# Altium PCB ecoVENTV_v1.1.PcbDoc (part 2 of 3) (continued)
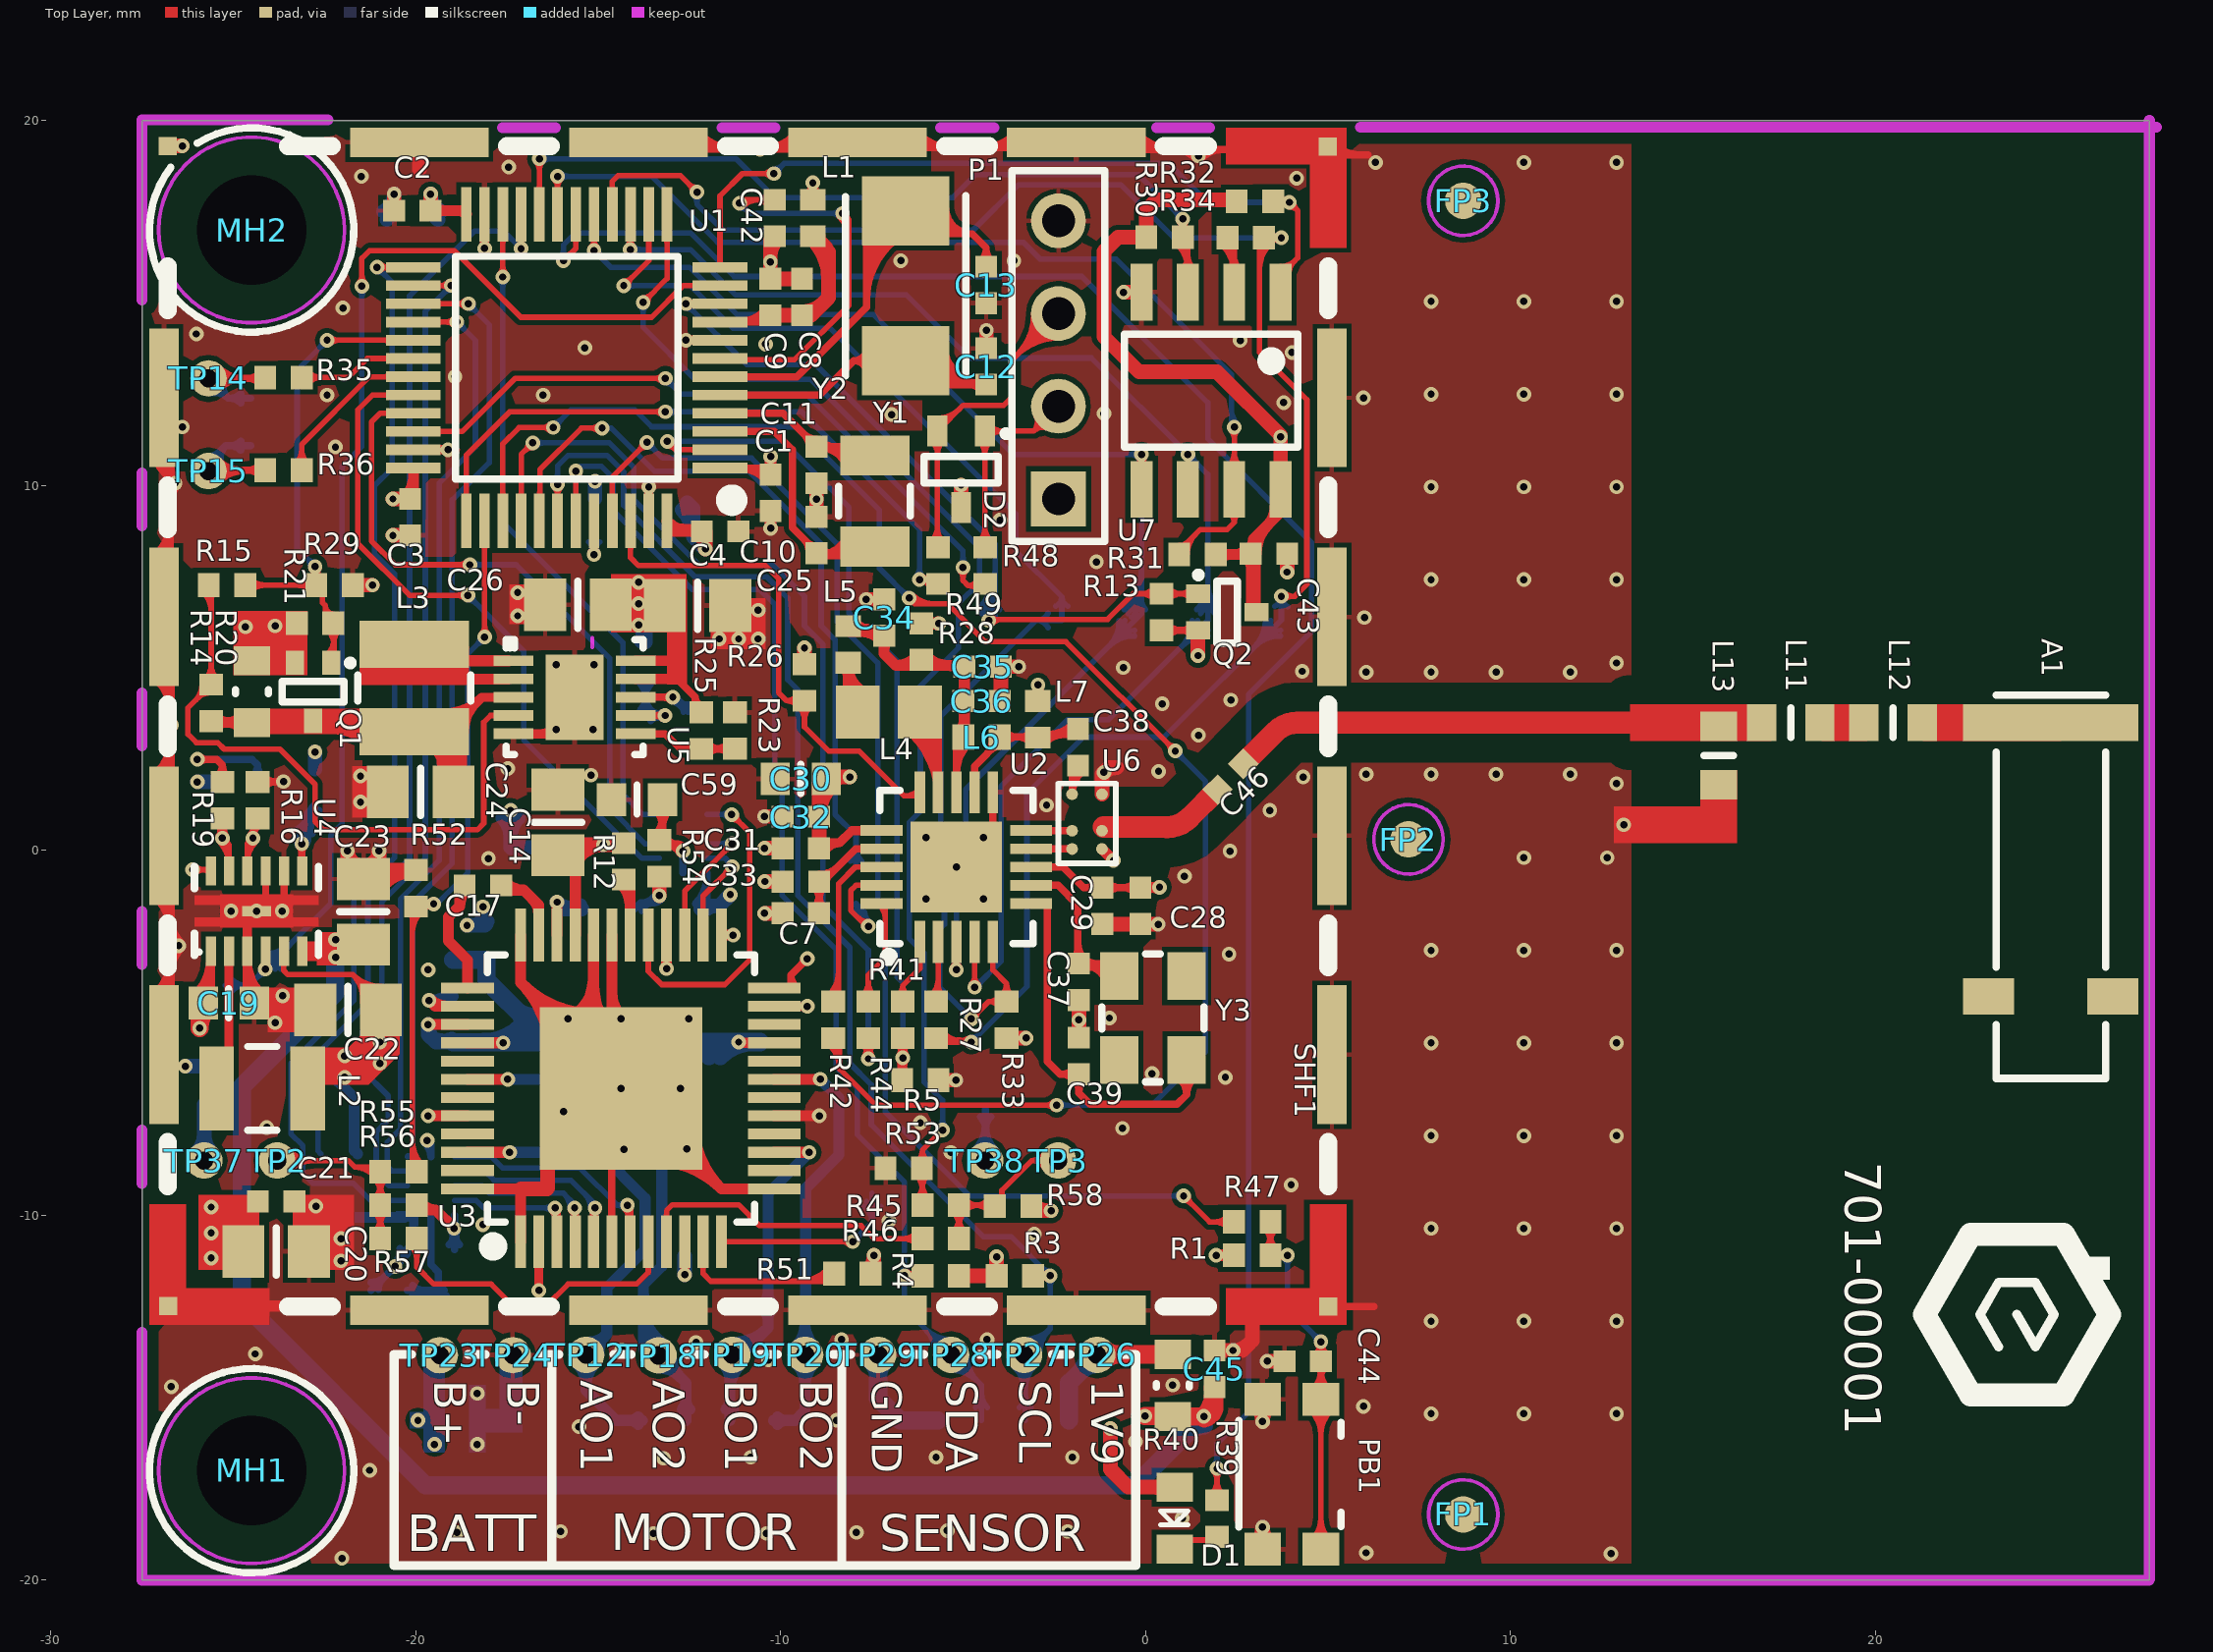
[diagram p0: Top Layer view]
## Nets (pads, with @x,y where several pads share a name; then routed paths per layer and width w, separated by ;. In a path a pad name is that pad's centre, name@x,y a point inside that pad or via, vN(x,y) a via of type N, cw(c..) or ccw(c..) an arc to the next point about the centre after c; other vN are vias at no path point) (continued)
  other v2: -14.3,-8.2 -12.576,-8.176 -15.954,-7.16 -12.754,-6.525 -15.827,-4.62 -14.38,-4.62 -12.525,-4.62 -26.4,11.6
  other v3: -25.063,-1.663 -16.158,3.305 -15.142,3.305 -16.158,5.083 -15.116,5.083
I2C1_SCL: P4.2 R3.2 TP27.1 U1.42 | length 46.2
  Top Layer w0.15: v1@-16.205,9.942 cw(c-16.418,9.728) -16.116,9.728 cw(c-15.814,9.728) v1@-16.028,9.942 ; U1.42@-16.166,9.682 ccw(c-16.285,9.801) -16.116,9.801 ccw(c-15.947,9.801) U1.42@-16.067,9.682 ; U1.42@-16.116,9.027 v1(-16.116,10.03) ; R3.2@-3.085,-11.655 v1(-2.619,-11.655) ; R3.2@-2.908,-11.795 cw(c-2.619,-12.024) v1(-2.619,-11.655) ; R3.2@-2.908,-11.516 ccw(c-2.619,-11.287) v1(-2.619,-11.655) ; v1@-2.708,-11.744 ccw(c-2.921,-11.957) -2.921,-11.655 ccw(c-2.921,-11.354) v1@-2.708,-11.567
  Bottom Layer w0.15: v1@-16.205,10.118 ccw(c-16.418,10.332) -16.116,10.332 ccw(c-15.814,10.332) v1@-16.028,10.118 ; v1(-16.116,10.03) -16.116,10.535 -15.827,10.824 -14.761,10.824 -14.303,10.366 -14.303,9.452 -12.348,7.496 -10.392,7.496 -9.808,6.912 -9.808,4.677 -9.528,4.397 -9.528,-1.241 -8.106,-2.664 -8.106,-5.839 -7.522,-6.423 -7.522,-7.515 -4.448,-10.589 -3.686,-10.589 v1(-2.619,-11.655) -2.619,-13.111 ; TP27.1@-3.633,-14.125 cw(c-4.438,-14.93) -3.3,-14.93 ; TP27.1@-3.527,-14.019 cw(c-4.076,-14.568) -3.3,-14.568 ; P4.2@-3.459,-15.266 ccw(c-3.843,-14.882) -3.3,-14.882 ccw(c-2.757,-14.882) P4.2@-3.141,-15.266 ; TP27.1@-3.33,-13.55 ccw(c-3.322,-12.912) -2.871,-13.363 ccw(c-2.421,-13.814) TP27.1@-3.058,-13.821 ; TP27.1@-3.328,-13.4 ccw(c-3.316,-12.415) -2.619,-13.111 ; P4.2@-3.3,-15.625 -3.3,-13.857 TP27.1@-3.333,-13.825 -2.619,-13.111 ; -3.3,-14.771 cw(c-2.386,-14.771) TP27.1@-3.032,-14.125 ; -3.3,-14.409 cw(c-2.748,-14.409) TP27.1@-3.138,-14.019 ; TP27.1@-2.908,-13.819 cw(c-1.923,-13.808) -2.619,-13.111 ; v1@-2.744,-11.655 ccw(c-3.046,-11.655) -2.833,-11.442 ccw(c-2.619,-11.229) v1@-2.619,-11.53 ; v1@-2.708,-11.744 cw(c-2.921,-11.957) -2.619,-11.957 cw(c-2.318,-11.957) v1@-2.531,-11.744
I2C1_SDA: P4.3 R4.2 TP28.1 U1.43 | length 43.7
  Top Layer w0.15: v1@-15.705,10.303 cw(c-15.918,10.09) -15.616,10.09 cw(c-15.314,10.09) v1@-15.528,10.303 ; U1.43@-15.666,9.682 ccw(c-15.785,9.801) -15.616,9.801 ccw(c-15.447,9.801) U1.43@-15.567,9.682 ; U1.43@-15.616,9.027 v1(-15.616,10.392) ; v1@-6.52,-11.745 cw(c-6.429,-11.836) -6.396,-11.712 cw(c-6.363,-11.588) v1@-6.487,-11.622 ; v1@-6.52,-11.566 ccw(c-6.429,-11.475) -6.396,-11.599 ccw(c-6.363,-11.723) v1@-6.487,-11.689 ; v1@-6.519,-11.744 cw(c-6.305,-11.957) -6.305,-11.655 cw(c-6.305,-11.354) v1@-6.519,-11.567 ; R4.2@-6.287,-11.802 ccw(c-6.607,-12.078) v1(-6.607,-11.655) ; R4.2@-6.287,-11.509 cw(c-6.607,-11.233) v1(-6.607,-11.655) ; R4.2@-6.117,-11.655 v1(-6.607,-11.655)
  Bottom Layer w0.15: v1(-15.616,10.392) -15.489,10.519 -14.913,10.519 -14.589,10.195 -14.589,9.306 -12.424,7.141 -10.57,7.141 -10.163,6.734 -10.163,2.238 -9.96,2.035 -9.96,-1.241 -8.487,-2.715 -8.487,-5.94 -7.903,-6.525 -7.903,-7.795 -6.607,-9.09 v1(-6.607,-11.655) -6.607,-12.55 TP28.1@-5.333,-13.825 -4.5,-14.657 P4.3@-4.5,-15.625 ; v1@-6.696,-11.744 cw(c-6.909,-11.957) -6.607,-11.957 cw(c-6.305,-11.957) v1@-6.519,-11.744 ; v1@-6.696,-11.567 ccw(c-6.909,-11.354) -6.607,-11.354 ccw(c-6.305,-11.354) v1@-6.519,-11.567 ; TP28.1@-5.758,-13.825 ccw(c-6.784,-13.825) -6.058,-13.099 ccw(c-5.333,-12.374) TP28.1@-5.333,-13.4 ; TP28.1@-5.608,-13.825 ccw(c-6.272,-13.825) -5.802,-13.355 ccw(c-5.333,-12.886) TP28.1@-5.333,-13.55 ; TP28.1@-5.333,-14.25 cw(c-5.333,-15.276) -4.607,-14.55 cw(c-3.882,-13.825) TP28.1@-4.908,-13.825 ; TP28.1@-5.333,-14.1 cw(c-5.333,-14.764) -4.863,-14.294 cw(c-4.394,-13.825) TP28.1@-5.058,-13.825 ; P4.3@-4.659,-15.266 ccw(c-5.043,-14.882) -4.5,-14.882 ccw(c-3.957,-14.882) P4.3@-4.341,-15.266
MDRV_CLK: U3.4 U9.9 | length 5.2
  Top Layer w0.2: v1@-15.72,-9.872 cw(c-15.939,-10.091) U3.4@-15.63,-10.091 ; v1(-15.65,-9.801) -15.63,-9.821 U3.4@-15.63,-10.725
  Bottom Layer w0.15: U9.9@-18.937,-9.192 -18.19,-9.192 -17.986,-9.395 -15.954,-9.395 -15.65,-9.7 v1(-15.65,-9.801) ; -15.935,-9.414 cw(c-16.322,-9.801) v1@-15.775,-9.801
MDRV_CS: U3.3 U9.10 | length 4.5
  Top Layer w0.2: v1@-16.254,-9.872 cw(c-16.553,-10.172) U3.3@-16.13,-10.172 ; U3.3@-16.13,-10.725 v1@-16.13,-9.855
  Bottom Layer w0.15: U9.10@-18.937,-9.592 -18.348,-9.592 -18.139,-9.801 v1(-16.183,-9.801) ; v1@-16.271,-9.89 ccw(c-16.485,-10.103) -16.485,-9.801 ccw(c-16.485,-9.499) v1@-16.271,-9.713
MDRV_EN: U3.29 U10.7 | length 10.3
  Top Layer w0.15: U3.29@-13.683,-2.953 cw(c-13.811,-3.081) -13.63,-3.081 cw(c-13.449,-3.081) U3.29@-13.577,-2.953 ; U3.29@-13.63,-2.325 -13.63,-3.311 -13.261,-3.68 -11.535,-3.68 -10.849,-2.994 -10.849,0.486 v1(-11.344,0.981) ; v1@-11.344,0.856 cw(c-11.344,0.554) -11.131,0.768 cw(c-10.917,0.981) v1@-11.219,0.981
  Bottom Layer w0.15: U10.7@-12.028,0.981 v1(-11.344,0.981) ; v1@-11.433,0.893 ccw(c-11.646,0.679) -11.646,0.981 ccw(c-11.646,1.283) v1@-11.433,1.069
MDRV_MISO: U3.7 U9.7 | length 7.1
  Top Layer w0.2: v1@-14.273,-9.796 cw(c-14.618,-10.141) U3.7@-14.13,-10.141 ; v1(-14.202,-9.725) -14.13,-9.797 U3.7@-14.13,-10.725
  Bottom Layer w0.15: U9.7@-18.937,-8.392 -17.936,-8.392 -17.618,-8.709 -15.497,-8.709 -14.481,-9.725 ; v1@-14.295,-9.808 ccw(c-14.481,-9.975) -14.481,-9.725 ; v1@-14.295,-9.642 cw(c-14.481,-9.475) -14.481,-9.725 ; v1(-14.202,-9.725) -14.481,-9.725
MDRV_MOSI: U3.5 U9.8 | length 5.9
  Top Layer w0.2: U3.5@-15.13,-10.725 v1@-15.13,-9.84 ; U3.5@-15.13,-10.136 cw(c-14.756,-10.136) v1@-15.02,-9.872
  Bottom Layer w0.15: U9.8@-18.937,-8.792 -18.107,-8.792 -17.859,-9.039 -15.751,-9.039 -15.091,-9.7 v1(-15.091,-9.801) ; -15.376,-9.414 cw(c-15.763,-9.801) v1@-15.216,-9.801
MOT_AOUT1: C50.1 P2.4 TP12.1 U3.46 | length 17.4
  Top Layer w0.3: U3.46@-18.58,-8.275 v1@-17.428,-8.275
  Bottom Layer w0.3: v1@-17.428,-8.275 -14.978,-8.275 -13.719,-9.533 -13.719,-10.944 -14.769,-11.994 -14.769,-13.26 ; TP12.1@-15.58,-14.072 cw(c-16.178,-14.67) -15.333,-14.67 cw(c-14.488,-14.67) TP12.1@-15.085,-14.072 ; TP12.1@-15.318,-13.475 ccw(c-15.288,-12.741) -14.769,-13.26 ; TP12.1@-14.983,-13.81 cw(c-14.249,-13.78) -14.769,-13.26 ; C50.1@-14.875,-12.6 cw(c-15.131,-12.856) -14.769,-12.856 cw(c-14.406,-12.856) C50.1@-14.663,-12.6 ; C50.1@-14.875,-12.388 ccw(c-15.131,-12.131) -14.769,-12.131 ccw(c-14.406,-12.131) C50.1@-14.663,-12.388 ; P2.4@-13.906,-15.731 ccw(c-14.162,-15.987) -14.162,-15.625 ccw(c-14.162,-15.263) P2.4@-13.906,-15.519 ; P2.4@-13.8,-15.625 -14.499,-15.625 -15.333,-14.792 TP12.1@-15.333,-13.825 -14.769,-13.26
  other v1: -17.428,-8.277
MOT_AOUT2: C51.1 P2.3 TP18.1 U3.42 | length 20.8
  Top Layer w0.3: U3.42@-18.58,-6.275 v1(-17.482,-6.275)
  Bottom Layer w0.3: v1(-17.482,-6.275) -15.798,-6.275 -14.735,-7.337 -13.897,-7.337 -13.262,-7.972 -13.262,-11.401 -13.762,-11.901 C51.1@-13.762,-12.494 ; C51.1@-13.868,-12.6 cw(c-14.124,-12.856) -13.762,-12.856 cw(c-13.4,-12.856) C51.1@-13.656,-12.6 ; C51.1@-13.868,-12.388 ccw(c-14.124,-12.131) -13.762,-12.131 ccw(c-13.4,-12.131) C51.1@-13.656,-12.388 ; C51.1@-13.837,-12.624 cw(c-14.018,-12.937) -13.668,-12.843 cw(c-13.318,-12.75) C51.1@-13.632,-12.569 ; -13.762,-13.553 ccw(c-13.176,-13.553) TP18.1@-13.477,-14.055 ; -13.762,-13.023 ccw(c-12.859,-13.023) TP18.1@-13.323,-13.798 ; TP18.1@-13.349,-14.191 cw(c-13.349,-15.036) -12.751,-14.438 cw(c-12.154,-13.841) TP18.1@-12.999,-13.841 ; TP18.1@-13.169,-13.54 cw(c-12.542,-12.494) C51.1@-13.762,-12.494 ; P2.3@-12.706,-15.319 ccw(c-12.962,-15.063) -12.6,-15.063 ccw(c-12.238,-15.063) P2.3@-12.494,-15.319 ; P2.3@-12.6,-15.625 -12.6,-14.589 TP18.1@-13.349,-13.841 -13.762,-13.427 C51.1@-13.762,-12.494
MOT_BOUT1: C52.1 P2.2 TP19.1 U3.15 | length 14
  Top Layer w0.3: U3.15@-10.18,-8.275 -9.226,-8.275 v1(-9.223,-8.277)
  Bottom Layer w0.3: TP19.1@-11.58,-14.072 cw(c-12.016,-14.507) -11.4,-14.507 ; P2.2@-11.506,-15.319 ccw(c-11.762,-15.063) -11.4,-15.063 ccw(c-11.038,-15.063) P2.2@-11.294,-15.319 ; P2.2@-11.4,-15.625 TP19.1@-11.4,-13.892 ; -11.4,-14.832 cw(c-10.326,-14.832) TP19.1@-11.085,-14.072 ; TP19.1@-11.333,-13.825 -11.088,-13.825 -10.349,-13.086 ; TP19.1@-11.332,-13.775 ccw(c-11.314,-13.108) -10.843,-13.58 ; TP19.1@-11.324,-13.475 ccw(c-11.289,-12.146) -10.349,-13.086 ; C52.1@-10.455,-12.6 cw(c-10.711,-12.856) -10.349,-12.856 cw(c-9.987,-12.856) C52.1@-10.243,-12.6 ; C52.1@-10.455,-12.388 ccw(c-10.711,-12.131) -10.349,-12.131 ccw(c-9.987,-12.131) C52.1@-10.243,-12.388 ; v1(-9.223,-8.277) -10.349,-9.403 C52.1@-10.349,-12.494 -10.349,-13.086
  Bottom Layer w0.4: TP19.1@-11.4,-13.892 TP19.1@-11.333,-13.825
MOT_BOUT2: C53.1 P2.1 TP20.1 U3.19 | length 16.3
  Top Layer w0.3: U3.19@-10.18,-6.275 v1@-8.919,-6.275
  Bottom Layer w0.3: P2.1@-10.2,-15.625 -9.612,-15.625 -9.333,-15.346 TP20.1@-9.333,-13.825 C53.1@-9.333,-12.509 ; P2.1@-10.094,-15.731 cw(c-9.838,-15.987) -9.838,-15.625 cw(c-9.838,-15.263) P2.1@-10.094,-15.519 ; TP20.1@-9.58,-14.072 cw(c-10.178,-14.67) -9.333,-14.67 cw(c-8.488,-14.67) TP20.1@-9.085,-14.072 ; TP20.1@-9.58,-13.577 ccw(c-10.178,-12.98) -9.333,-12.98 ccw(c-8.488,-12.98) TP20.1@-9.085,-13.577 ; C53.1@-9.423,-12.6 cw(c-9.641,-12.818) -9.333,-12.818 ; C53.1@-9.423,-12.388 ccw(c-9.679,-12.131) -9.317,-12.131 ccw(c-8.955,-12.131) C53.1@-9.211,-12.388 ; -9.333,-12.894 cw(c-8.917,-12.894) C53.1@-9.211,-12.6 ; C53.1@-9.317,-12.494 -9.317,-9.26 -8.411,-8.353 -8.411,-6.779 v1(-8.919,-6.271)
  Bottom Layer w0.4: C53.1@-9.333,-12.509 C53.1@-9.317,-12.494
MOT_DIAG0: U1.32 U10.2 | length 19.8
  Top Layer w0.15: U1.32@-20.721,12.428 ccw(c-20.84,12.308) -20.84,12.477 ccw(c-20.84,12.646) U1.32@-20.721,12.527 ; U1.32@-20.066,12.477 -21.184,12.477 -21.593,12.068 -21.593,8.411 -20.171,6.988 v1(-18.571,6.988) ; v1@-18.659,6.9 ccw(c-18.872,6.686) -18.872,6.988 ccw(c-18.872,7.29) v1@-18.659,7.077
  Bottom Layer w0.15: v1@-18.571,6.863 cw(c-18.571,6.561) -18.357,6.775 cw(c-18.144,6.988) v1@-18.446,6.988 ; v1(-18.571,6.988) -17.047,5.464 -17.047,3.026 -13.802,-0.219 U10.2@-13.328,-0.219
MOT_DIAG1: U1.33 U10.3 | length 19.5
  Top Layer w0.15: U1.33@-20.721,11.928 ccw(c-20.84,11.808) -20.84,11.977 ccw(c-20.84,12.146) U1.33@-20.721,12.027 ; U1.33@-20.066,11.977 -20.973,11.977 -21.212,11.738 -21.212,8.473 -20.565,7.826 v1(-18.52,7.826) ; v1@-18.608,7.738 ccw(c-18.822,7.525) -18.822,7.826 ccw(c-18.822,8.128) v1@-18.608,7.915
  Bottom Layer w0.15: v1(-18.52,7.826) -17.25,7.826 -14.684,5.261 -14.684,1.146 -13.719,0.181 U10.3@-13.328,0.181 ; v1@-18.431,7.738 cw(c-18.218,7.525) -18.218,7.826 cw(c-18.218,8.128) v1@-18.431,7.915
MOT_EN: U1.22 U10.5 | length 19.7
  Top Layer w0.15: v1@-17.705,15.8 ccw(c-17.918,16.013) -17.616,16.013 ccw(c-17.314,16.013) v1@-17.528,15.8 ; U1.22@-17.666,16.773 cw(c-17.785,16.653) -17.616,16.653 cw(c-17.447,16.653) U1.22@-17.567,16.773 ; v1(-17.616,15.711) U1.22@-17.616,17.427
  Bottom Layer w0.15: v1@-17.705,15.623 cw(c-17.918,15.409) -17.616,15.409 cw(c-17.314,15.409) v1@-17.528,15.623 ; v1(-17.616,15.711) -17.616,8.98 -14.329,5.693 -14.329,1.536 -13.774,0.981 U10.5@-13.328,0.981
NetA1_1: A1.1 L12.2 | length 3.6
  Top Layer w1: L12.2@21.376,3.5 A1.1@25,3.5
NetC7_1: C7.1 C33.1 U2.17 | length 5.4
  Top Layer w0.2: C7.1@-9.093,-1.583 ccw(c-9.435,-1.241) -8.952,-1.241 ccw(c-8.469,-1.241) C7.1@-8.811,-1.583 ; C33.1@-9.09,-1.002 cw(c-9.423,-1.335) -8.952,-1.335 ; C7.1@-8.952,-1.724 C33.1@-8.952,-0.733 ; -8.952,-1.352 cw(c-8.457,-1.352) C33.1@-8.807,-1.002 ; C33.1@-8.948,-0.86 -8.842,-0.86 -7.94,0.042 U2.17@-7.138,0.042 ; C33.1@-8.948,-0.66 ccw(c-8.948,0.078) -8.426,-0.444 ; C33.1@-8.748,-0.86 cw(c-8.521,-0.86) C33.1@-8.682,-0.7
NetC8_1: C8.1 C9.1 L1.1 U1.9 | length 9
  Top Layer w0.2: U1.9@-11.666,14.477 C9.1@-10.57,14.477 ; U1.9@-11.212,14.477 ccw(c-11.212,15.589) C9.1@-10.426,14.803 ; -10.73,14.477 ccw(c-10.73,15.107) C9.1@-10.284,14.661 ; C8.1@-9.421,14.661 C8.1@-9.304,14.661
  Top Layer w0.4: C9.1@-10.284,14.661 C8.1@-9.421,14.661 ; C8.1@-9.421,14.761 ccw(c-9.421,15.608) -8.822,15.009 ; C8.1@-9.304,14.661 -9.17,14.661 -8.69,15.142 -8.69,16.394 L1.1@-9.122,16.826 ; L1.1@-9.143,16.755 cw(c-10.235,15.663) -8.69,15.663 ; L1.1@-9.09,16.728 cw(c-9.176,16.25) -8.69,16.25 ; L1.1@-8.972,16.826 ccw(c-8.61,16.826) L1.1@-8.866,16.57
NetC10_1: C10.1 U1.3 Y1.1 | length 11.1
  Top Layer w0.2: U1.3@-11.666,11.477 -10.182,11.477 -9.681,10.976 -9.681,8.842 -9.02,8.182 C10.1@-9.02,8.08 ; -9.392,8.554 cw(c-9.806,8.139) C10.1@-9.22,8.139 ; -9.289,8.45 ccw(c-9.02,8.719) C10.1@-9.02,8.339 ; C10.1@-8.879,7.998 cw(c-8.679,7.798) -8.679,8.08 ; C10.1@-8.879,8.281 ccw(c-8.395,8.764) -8.395,8.08 ; -8.673,8.08 ccw(c-8.673,8.817) Y1.1@-8.036,8.447 ; Y1.1@-8.209,8.547 cw(c-9.02,9.019) C10.1@-9.02,8.08 ; Y1.1@-8.138,8.003 ccw(c-8.326,7.815) -8.326,8.08 ccw(c-8.325,8.615) Y1.1@-7.863,8.346 ; Y1.1@-7.42,8.321 -7.661,8.08 C10.1@-9.02,8.08
NetC11_1: C11.1 U1.4 Y1.2 | length 8.8
  Top Layer w0.2: U1.4@-11.666,11.977 -9.936,11.977 C11.1@-9.02,11.062 ; C11.1@-9.22,11.062 ccw(c-9.703,11.062) -9.362,11.403 ccw(c-9.02,11.744) C11.1@-9.02,11.262 ; C11.1@-8.879,10.92 cw(c-8.537,10.579) -8.537,11.062 cw(c-8.537,11.544) C11.1@-8.879,11.203 ; -8.673,11.062 cw(c-8.673,10.325) Y1.2@-8.036,10.695 ; Y1.2@-8.209,10.595 ccw(c-9.02,10.123) C11.1@-9.02,11.062 ; Y1.2@-8.138,11.139 cw(c-8.326,11.327) -8.326,11.062 cw(c-8.325,10.527) Y1.2@-7.863,10.796 ; Y1.2@-7.42,10.821 -7.661,11.062 C11.1@-9.02,11.062
NetC12_1: C12.1 U1.5 Y2.1 | length 16.5
  Top Layer w0.2: U1.5@-11.666,12.477 -8.942,12.477 -7.999,13.419 ; Y2.1@-7.641,13.158 ccw(c-7.999,13.042) -7.999,13.419 ; Y2.1@-7.641,13.68 cw(c-7.999,13.796) -7.999,13.419 ; Y2.1@-6.283,13.432 ccw(c-5.412,13.663) Y2.1@-5.412,12.762 ; Y2.1@-6.09,13.483 ccw(c-5.152,13.732) -5.152,12.762 ; Y2.1@-5.897,13.535 ccw(c-4.892,13.802) -4.892,12.762 ; Y2.1@-5.704,13.586 ccw(c-4.632,13.871) C12.1@-4.632,12.762 ; Y2.1@-5.51,13.637 ccw(c-4.372,13.94) C12.1@-4.372,12.762 -5.925,12.762 Y2.1@-6.582,13.419 -7.999,13.419 ; C12.1@-4.513,12.621 ccw(c-4.855,12.279) -4.855,12.762 ccw(c-4.855,13.245) C12.1@-4.513,12.903
NetC13_1: C13.1 U1.6 Y2.2 | length 28.1
  Top Layer w0.2: U1.6@-11.666,12.977 -9.559,12.977 -7.649,14.888 -7.649,16.739 -6.869,17.519 Y2.2@-6.582,17.519 -6.582,17.595 -5.882,16.895 -4.757,16.895 ; -7.649,15.094 cw(c-5.561,15.094) Y2.2@-6.53,16.943 ; -7.649,15.425 cw(c-5.734,15.425) Y2.2@-6.623,17.121 ; -7.649,15.756 cw(c-5.908,15.756) Y2.2@-6.716,17.298 ; -7.649,16.086 cw(c-6.081,16.086) Y2.2@-6.809,17.475 ; -7.649,16.417 cw(c-6.254,16.417) Y2.2@-6.901,17.652 ; Y2.2@-7.649,16.748 cw(c-6.427,16.748) Y2.2@-6.994,17.829 ; Y2.2@-6.282,17.522 ccw(c-5.612,17.567) Y2.2@-5.612,16.895 ; Y2.2@-6.082,17.536 ccw(c-5.398,17.581) Y2.2@-5.398,16.895 ; Y2.2@-5.883,17.549 ccw(c-5.184,17.595) -5.184,16.895 ; Y2.2@-5.683,17.562 ccw(c-4.971,17.61) -4.971,16.895 ; Y2.2@-5.484,17.576 ccw(c-4.757,17.624) -4.757,16.895 ; C13.1@-4.513,16.136 ccw(c-4.855,16.477) -4.372,16.477 ccw(c-3.889,16.477) C13.1@-4.231,16.136 ; C13.1@-4.372,15.995 -4.372,16.511 -4.757,16.895
NetC15_2: C15.2 U3.38 | length 2.9
  Top Layer w0.3: v1(-19.637,-4.112) -19.474,-4.275 U3.38@-18.58,-4.275 ; v1@-19.602,-4.076 ccw(c-19.123,-3.597) U3.38@-19.123,-4.275
  Bottom Layer w0.3: v1(-19.637,-4.112) -19.087,-4.112 C15.2@-18.977,-4.002 ; v1@-19.604,-4.112 ccw(c-19.604,-3.375) C15.2@-19.083,-3.896
NetC17_1: C17.1 U3.35 | length 3.1
  Top Layer w0.3: C17.1@-17.664,-0.962 -17.537,-1.089 -17.047,-1.089 ; C17.1@-17.552,-0.862 ccw(c-17.047,-0.412) -17.047,-1.089 ; -16.802,-1.334 cw(c-17.218,-1.75) U3.35@-16.63,-1.75 ; U3.35@-16.63,-2.325 -16.63,-1.506 -17.047,-1.089
NetC17_2: C17.2 U3.37 | length 3.7
  Top Layer w0.3: -18.799,-1.537 cw(c-18.227,-1.537) C17.2@-18.573,-1.081 ; C17.2@-18.664,-0.962 -18.799,-1.097 -18.799,-1.521 -19.104,-1.826 -19.104,-2.486 -18.58,-3.01 U3.37@-18.58,-3.775
NetC24_1: C24.1 L3.1 Q1.3 R14.1 R20.1 U5.3 | length 19.9
  Top Layer w0.2: R14.1@-25.606,3.542 -24.458,3.542 R20.1@-24.413,3.497 ; R14.1@-25.471,3.375 cw(c-25.186,2.941) -25.052,3.443 ; R14.1@-25.44,3.4 cw(c-25.099,3.059) -25.099,3.542 cw(c-25.099,4.025) R14.1@-25.44,3.683 ; R14.1@-25.422,3.542 cw(c-25.422,2.663) R20.1@-24.801,3.284 ; R14.1@-25.408,3.642 ccw(c-25.112,3.813) -25.2,3.482 ; -25.204,3.542 ccw(c-25.204,4.112) R20.1@-24.801,3.709
  Top Layer w0.25: L3.1@-19.764,3.02 -19.764,3.077 -19.485,3.356 -19.053,3.356 -19.053,3.331 -18.19,4.194 U5.3@-17.455,4.194 ; L3.1@-19.194,3.523 ccw(c-19.194,4.328) L3.1@-18.625,3.759 ; L3.1@-19.194,3.773 ccw(c-19.194,5.181) -18.198,4.186 ; L3.1@-18.669,3.248 cw(c-17.542,3.248) -18.339,4.045
  Top Layer w0.5: L3.1@-19.872,2.912 -19.764,3.02 L3.1@-18.952,3.02 ; C24.1@-18.952,1.691 C24.1@-18.864,1.603
  Top Layer w0.7: R20.1@-24.374,3.534 -20.177,3.534 L3.1@-19.891,3.248 ; -22.308,3.534 cw(c-22.308,1.834) L3.1@-21.106,3.036 ; L3.1@-19.406,3.036 cw(c-20.503,1.939) C24.1@-18.952,1.939 ; C24.1@-19.161,1.866 ccw(c-19.815,2.243) -19.085,2.439 ; C24.1@-19.125,1.912 ccw(c-19.544,2.331) -18.952,2.331 ; C24.1@-18.952,1.691 L3.1@-18.952,3.02
NetC27_1: C27.1 R22.2 U5.7 | length 6
  Top Layer w0.2: U5.7@-13.975,3.694 v1(-13.171,3.694) ; v1@-13.242,3.623 ccw(c-13.413,3.453) -13.413,3.694 ccw(c-13.413,3.936) v1@-13.242,3.765
  Bottom Layer w0.2: C27.1@-13.846,3.841 ccw(c-14.188,4.182) -13.705,4.182 ccw(c-13.222,4.182) -13.563,3.841 ccw(c-13.222,4.182) -13.222,3.7 ccw(c-13.222,3.217) C27.1@-13.563,3.558 ; R22.2@-13.846,4.565 cw(c-14.188,4.223) -13.705,4.223 cw(c-13.222,4.223) R22.2@-13.563,4.565 ; R22.2@-13.705,4.706 C27.1@-13.705,3.7 -13.177,3.7 v1(-13.171,3.694) ; C27.1@-13.433,3.643 cw(c-13.366,3.394) v1@-13.226,3.61 ; C27.1@-13.426,3.7 cw(c-13.426,3.44) v1@-13.242,3.623 ; C27.1@-13.425,3.754 ccw(c-13.356,4.013) v1@-13.221,3.781 ; -13.4,3.7 ccw(c-13.4,3.923) v1@-13.242,3.765 ; -13.388,3.744 cw(c-13.444,3.537) v1@-13.258,3.644
NetC34_1: C34.1 C35.1 C36.1 L5.2 L6.2 R28.2 U2.13 | length 14.4
  Top Layer w0.2: U2.13@-5.188,1.492 -5.188,2.884 L6.2@-5.109,2.963 ; U2.13@-5.188,2.112 cw(c-4.059,2.112) L6.2@-4.858,2.911 ; -5.188,2.595 cw(c-4.542,2.595) L6.2@-4.999,3.052
  Top Layer w0.3: L5.2@-8.157,6.04 -8.114,5.998 -7.287,5.998 C34.1@-7.168,5.879 -7.168,5.39 -6.844,5.066 ; L5.2@-8.001,6.248 ccw(c-7.396,6.853) C34.1@-7.396,5.998 ; L5.2@-7.817,5.998 cw(c-7.817,5.229) -7.274,5.773 cw(c-7.53,5.516) -7.168,5.516 cw(c-6.806,5.516) C34.1@-7.062,5.773 ; -7.634,6.061 cw(c-7.777,5.527) C34.1@-7.298,5.804 ; R28.2@-6.288,5.317 cw(c-6.844,5.806) -6.844,5.066 ; R28.2@-6.019,5.324 ccw(c-5.395,5.948) -5.395,5.066 ; -5.413,5.066 cw(c-5.413,4.59) -5.076,4.926 cw(c-5.332,4.67) -4.97,4.67 cw(c-4.608,4.67) C35.1@-4.864,4.926 ; L6.2@-5.105,3.258 ccw(c-5.431,3.584) -4.97,3.584 ; C36.1@-5.105,3.987 cw(c-5.431,3.66) -4.97,3.66 ; C36.1@-5.105,4.199 ccw(c-5.431,4.525) -4.97,4.525 ; L6.2@-4.97,3.102 C35.1@-4.97,5.032 -5.003,5.066 -6.152,5.066 -6.844,5.066
NetC37_1: C37.1 U2.7 Y3.1 | length 8.3
  Top Layer w0.2: U2.7@-3.138,-0.958 -2.401,-0.958 -1.857,-1.502 C37.1@-1.857,-3.101 ; C37.1@-1.973,-2.96 ccw(c-2.254,-2.679) -1.857,-2.679 ; -1.857,-2.557 ccw(c-1.288,-2.557) -1.691,-2.96 ccw(c-1.349,-2.618) -1.349,-3.101 ccw(c-1.349,-3.584) C37.1@-1.691,-3.242 ; C37.1@-1.72,-3.266 cw(c-1.507,-3.579) -1.41,-3.214 cw(c-1.312,-2.849) C37.1@-1.652,-3.014 ; -1.489,-3.101 cw(c-1.489,-3.751) Y3.1@-0.923,-3.43 ; Y3.1@-1.227,-3.101 ccw(c-1.227,-2.82) Y3.1@-1.028,-3.019 ; Y3.1@-1.097,-3.529 ccw(c-1.832,-3.946) C37.1@-1.832,-3.101 -1.071,-3.101 Y3.1@-0.728,-3.444
NetC38_1: C38.1 L6.1 L7.1 U2.12 | length 8.4
  Top Layer w0.2: U2.12@-4.688,1.492 -4.688,2.303 -3.97,3.021 L6.1@-3.97,3.102 ; -4.383,2.609 ccw(c-4.826,3.052) L6.1@-4.199,3.052 ; L6.1@-4.239,2.753 cw(c-3.999,2.513) L6.1@-3.999,2.852 ; L6.1@-4.122,3.153 L6.1@-3.97,3.305 ; L6.1@-3.97,3.108 L7.1@-2.953,3.108 ; L6.1@-3.858,2.961 cw(c-3.501,2.604) -3.501,3.108 ; L6.1@-3.858,3.243 ccw(c-3.531,3.57) -3.531,3.108 ; -3.528,3.108 cw(c-3.528,2.566) L7.1@-3.145,2.949 ; -3.444,3.108 ccw(c-3.444,3.532) L7.1@-3.145,3.232 ; L7.1@-2.953,3.091 -2.866,3.178 -2.002,3.178 C38.1@-1.857,3.323 cw(c-2.206,3.671) -2.206,3.178 ; L7.1@-2.762,2.949 cw(c-2.209,2.397) -2.209,3.178 ; L7.1@-2.689,3.178 ccw(c-2.689,4.154) C38.1@-1.999,3.464
NetC38_2: C38.2 U6.C2 | length 2.1
  Top Layer w0.2: U6.C2@-2.017,1.521 cw(c-1.143,1.521) C38.2@-1.724,2.173 ; U6.C2@-2.017,1.537 -2.017,2.239 -1.937,2.319 C38.2@-1.937,2.471 ; -2.017,1.967 cw(c-1.54,1.967) C38.2@-1.857,2.323
NetC39_1: C39.1 U2.6 Y3.3 | length 13.1
  Top Layer w0.2: U2.6@-3.138,-1.458 -2.696,-1.458 -2.696,-5.788 -2.348,-6.136 C39.1@-1.832,-6.136 -1.832,-6.652 -1.527,-6.956 0.86,-6.956 1.122,-6.694 ; C39.1@-1.973,-5.994 cw(c-2.315,-5.653) -2.315,-6.136 cw(c-2.315,-6.618) -1.973,-6.277 cw(c-2.315,-6.618) -1.832,-6.618 cw(c-1.349,-6.618) C39.1@-1.691,-6.277 ; Y3.3@0.876,-6.215 cw(c0.534,-6.694) 1.122,-6.694 ; Y3.3@1.122,-5.744 1.122,-6.694 ; Y3.3@1.369,-6.215 ccw(c1.711,-6.694) 1.122,-6.694
NetC42_1: C42.1 TP13.1 U1.7 | length 14.5
  Top Layer w0.15: U1.7@-11.666,13.477 -11.629,13.44 -9.63,13.44 -8.131,14.938 -8.131,17.275 ; v1(-11.128,17.732) -11.035,17.826 C42.1@-10.163,17.826 ; v1@-11.04,17.644 cw(c-10.601,17.205) -10.601,17.826 ; C42.1@-10.322,17.667 ccw(c-10.706,17.283) -10.706,17.826 ccw(c-10.706,18.369) C42.1@-10.322,17.985 ; v1@-8.397,17.365 cw(c-9.04,16.722) -8.131,16.722 ; v1(-8.309,17.453) -8.131,17.275 ; v1@-8.292,17.329 cw(c-8.266,17.141) -8.131,17.275 ; v1@-8.291,17.471 cw(c-8.678,17.084) -8.131,17.084 ; v1@-8.185,17.436 ccw(c-7.997,17.41) -8.131,17.275
  Bottom Layer w0.15: TP13.1@-11.128,17.607 cw(c-11.128,17.306) -10.915,17.519 cw(c-10.702,17.732) TP13.1@-11.003,17.732 ; v1(-11.128,17.732) -10.849,17.453 v1(-8.309,17.453) ; v1@-8.397,17.365 ccw(c-8.611,17.151) -8.611,17.453 ccw(c-8.611,17.755) v1@-8.397,17.541
NetC46_2: C46.2 L11.1 L13.1 | length 15.5
  Top Layer w0.6: C46.2@2.676,2.371 3.552,3.247 cw(c4.163,2.636) 4.163,3.5 L11.1@16.875,3.5 ; 15.117,3.5 cw(c15.117,2.917) L13.1@15.529,3.329 ; L13.1@15.871,3.329 cw(c16.283,2.917) 16.283,3.5
NetC56_1: C56.1 R50.2 U9.12 | length 6
  Bottom Layer w0.2: R50.2@-20.23,-12.062 -19.22,-12.062 -19.383,-11.898 -19.383,-11.554 -19.587,-11.351 U9.12@-19.587,-9.992 ; R50.2@-20.109,-12.247 cw(c-19.787,-12.675) -19.648,-12.157 ; R50.2@-20.088,-12.203 cw(c-19.747,-12.545) -19.747,-12.062 cw(c-19.747,-11.579) R50.2@-20.088,-11.92 ; R50.2@-20.003,-12.062 cw(c-20.003,-13.049) C56.1@-19.305,-12.351 ; -19.631,-12.062 ccw(c-19.631,-11.6) C56.1@-19.305,-11.927 ; -19.52,-12.062 cw(c-19.52,-12.566) C56.1@-19.164,-12.21
NetC59_1: C59.1 R54.2 U10.12 | length 6.4
  Top Layer w0.2: C59.1@-13.451,1.129 cw(c-13.963,0.617) -13.239,0.617 cw(c-12.515,0.617) C59.1@-13.027,1.129 ; R54.2@-13.444,0.422 ccw(c-13.94,0.918) -13.239,0.918 ; -13.239,0.61 ccw(c-12.974,0.61) R54.2@-13.161,0.422 ; C59.1@-13.239,1.391 -13.239,0.37 R54.2@-13.328,0.281 R54.2@-13.226,0.179 ; R54.2@-13.114,0.346 ccw(c-12.879,0.427) -12.879,0.179 ; -12.862,0.179 cw(c-12.862,-0.139) v1@-12.593,0.031 ; v1@-12.778,-0.022 ccw(c-13.019,-0.022) -12.849,0.149 ccw(c-12.678,0.319) v1@-12.678,0.078 ; v1@-12.762,-0.076 ccw(c-13.226,-0.37) R54.2@-13.226,0.179 ; v1(-12.678,-0.022) -12.879,0.179 ; R54.2@-13.226,0.179 -12.879,0.179
  Bottom Layer w0.2: v1@-12.749,-0.093 cw(c-12.919,-0.264) -12.678,-0.264 cw(c-12.436,-0.264) v1@-12.607,-0.093 ; U10.12@-12.678,-0.619 v1(-12.678,-0.022)
NetD1_2: D1.2 R39.2 | length 1.3
  Top Layer w0.15: D1.2@0.8,-19.15 1.05,-18.9 1.863,-18.9 R39.2@1.953,-18.81
NetL2_1: L2.1 U4.2 | length 3.9
  Top Layer w0.25: L2.1@-25.123,-6.552 U4.2@-25.123,-2.684
NetL3_2: L3.2 U5.1 U5.2 | length 2.2
  Top Layer w0.3: -18.571,4.694 U5.2@-17.455,4.694 ; L3.2@-18.571,5.194 U5.1@-17.455,5.194
NetL4_1: L4.1 U2.14 | length 9.3
  Top Layer w0.2: L4.1@-6.521,3.289 cw(c-8.168,1.435) U2.14@-5.688,1.435 ; L4.1@-6.388,3.439 cw(c-7.773,1.88) U2.14@-5.688,1.88 ; L4.1@-6.255,3.588 cw(c-7.377,2.326) -5.688,2.326 ; L4.1@-6.123,3.738 cw(c-6.981,2.771) -5.688,2.771 ; L4.1@-6.048,3.294 -5.695,3.294 -5.688,3.287 U2.14@-5.688,1.492 ; L4.1@-5.99,3.887 cw(c-6.586,3.216) L4.1@-5.688,3.216
NetL4_2: L4.2 L5.1 | length 3.6
  Top Layer w0.3: L5.1@-8.263,5.036 cw(c-8.519,4.78) -8.157,4.78 cw(c-7.794,4.78) L5.1@-8.051,5.036 ; -8.157,4.569 ccw(c-7.582,4.569) L4.2@-7.825,4.049 ; L4.2@-7.889,3.686 -8.157,3.954 -8.157,5.04 ccw(c-7.362,5.04) L4.2@-7.698,4.32
NetL11_2: L11.2 L12.1
NetL14_2: L14.2 TP37.1 | length 2.7
  Bottom Layer w0.4: TP37.1@-26.012,-8.288 ccw(c-26.524,-7.776) -25.8,-7.776 ccw(c-25.076,-7.776) TP37.1@-25.588,-8.288 ; TP37.1@-25.8,-8.5 -25.8,-6.964 L14.2@-25.759,-6.923
NetL15_2: L15.2 TP38.1 | length 4.1
  Bottom Layer w0.2: TP38.1@-4.683,-8.217 ccw(c-5.391,-7.509) -4.389,-7.509 ; TP38.1@-4.541,-8.359 ccw(c-4.908,-7.992) -4.389,-7.992 ; L15.2@-4.531,-7.3 cw(c-4.872,-7.642) -4.389,-7.642 cw(c-3.907,-7.642) L15.2@-4.248,-7.3 ; TP38.1@-4.4,-8.5 -4.389,-8.489 L15.2@-4.389,-7.109 ; -4.389,-7.56 ccw(c-3.46,-7.56) TP38.1@-4.117,-8.217
NetR2_2: R2.2 U1.44 | length 4.1
  Top Layer w0.15: v1@-15.205,8.194 ccw(c-15.418,8.408) -15.116,8.408 ccw(c-14.814,8.408) v1@-15.028,8.194 ; U1.44@-15.166,8.373 cw(c-15.285,8.253) -15.116,8.253 cw(c-14.947,8.253) U1.44@-15.067,8.373 ; v1(-15.116,8.106) U1.44@-15.116,9.027
  Bottom Layer w0.15: R2.2@-15.269,8.457 cw(c-15.595,8.106) v1(-15.116,8.106) ; v1@-15.214,8.184 ccw(c-15.358,8.298) -15.18,8.345 ccw(c-15.003,8.393) v1@-15.07,8.222 ; v1@-15.205,8.194 ccw(c-15.418,8.408) -15.116,8.408 ccw(c-14.814,8.408) v1@-15.028,8.194 ; v1@-15.162,8.222 ccw(c-15.229,8.393) -15.052,8.345 ccw(c-14.875,8.298) v1@-15.018,8.184 ; R2.2@-15.116,8.622 v1(-15.116,8.106) ; R2.2@-14.963,8.457 ccw(c-14.637,8.106) v1(-15.116,8.106)
NetR10_2: R10.2 TP10.1 U4.7 | length 7.2
  Top Layer w0.2: v1@-23.193,0.11 cw(c-23.364,-0.06) -23.123,-0.06 cw(c-22.881,-0.06) v1@-23.052,0.11 ; U4.7@-23.123,-0.784 v1(-23.123,0.181)
  Bottom Layer w0.2: TP10.1@-23.28,0.549 ccw(c-23.486,1.027) R10.2@-22.965,1.027 ; TP10.1@-23.203,0.121 cw(c-23.046,0.238) TP10.1@-23.167,0.392 ; TP10.1@-23.201,0.365 ccw(c-23.355,0.724) -22.965,0.724 ; TP10.1@-23.193,0.252 ccw(c-23.745,0.803) -22.965,0.803 ; TP10.1@-23.173,0.268 ccw(c-23.492,0.82) -22.875,0.655 ; v1(-23.123,0.181) -22.965,0.339 R10.2@-22.965,1.027 ; TP10.1@-23.052,0.11 ccw(c-23.262,0.321) TP10.1@-22.965,0.321 ; TP10.1@-23.043,0.241 cw(c-22.882,0.361) TP10.1@-23.006,0.519 ; TP10.1@-22.965,0.321 cw(c-21.883,0.321) R10.2@-22.646,1.089 ; -22.965,0.766 ccw(c-22.538,0.766) TP10.1@-22.84,0.464 ; -22.965,0.802 cw(c-22.361,0.802) R10.2@-22.787,1.23 ; R10.2@-22.762,1.23 R10.2@-22.965,1.027
NetR12_1: R12.1 U3.30 | length 2.3
  Top Layer w0.3: R12.1@-14.384,-0.908 cw(c-15,-1.523) -14.13,-1.523 ; R12.1@-14.303,-0.802 -14.13,-0.975 U3.30@-14.13,-2.325